# Altium PCB PCB1.PcbDoc (part 1 of 5) (continued)
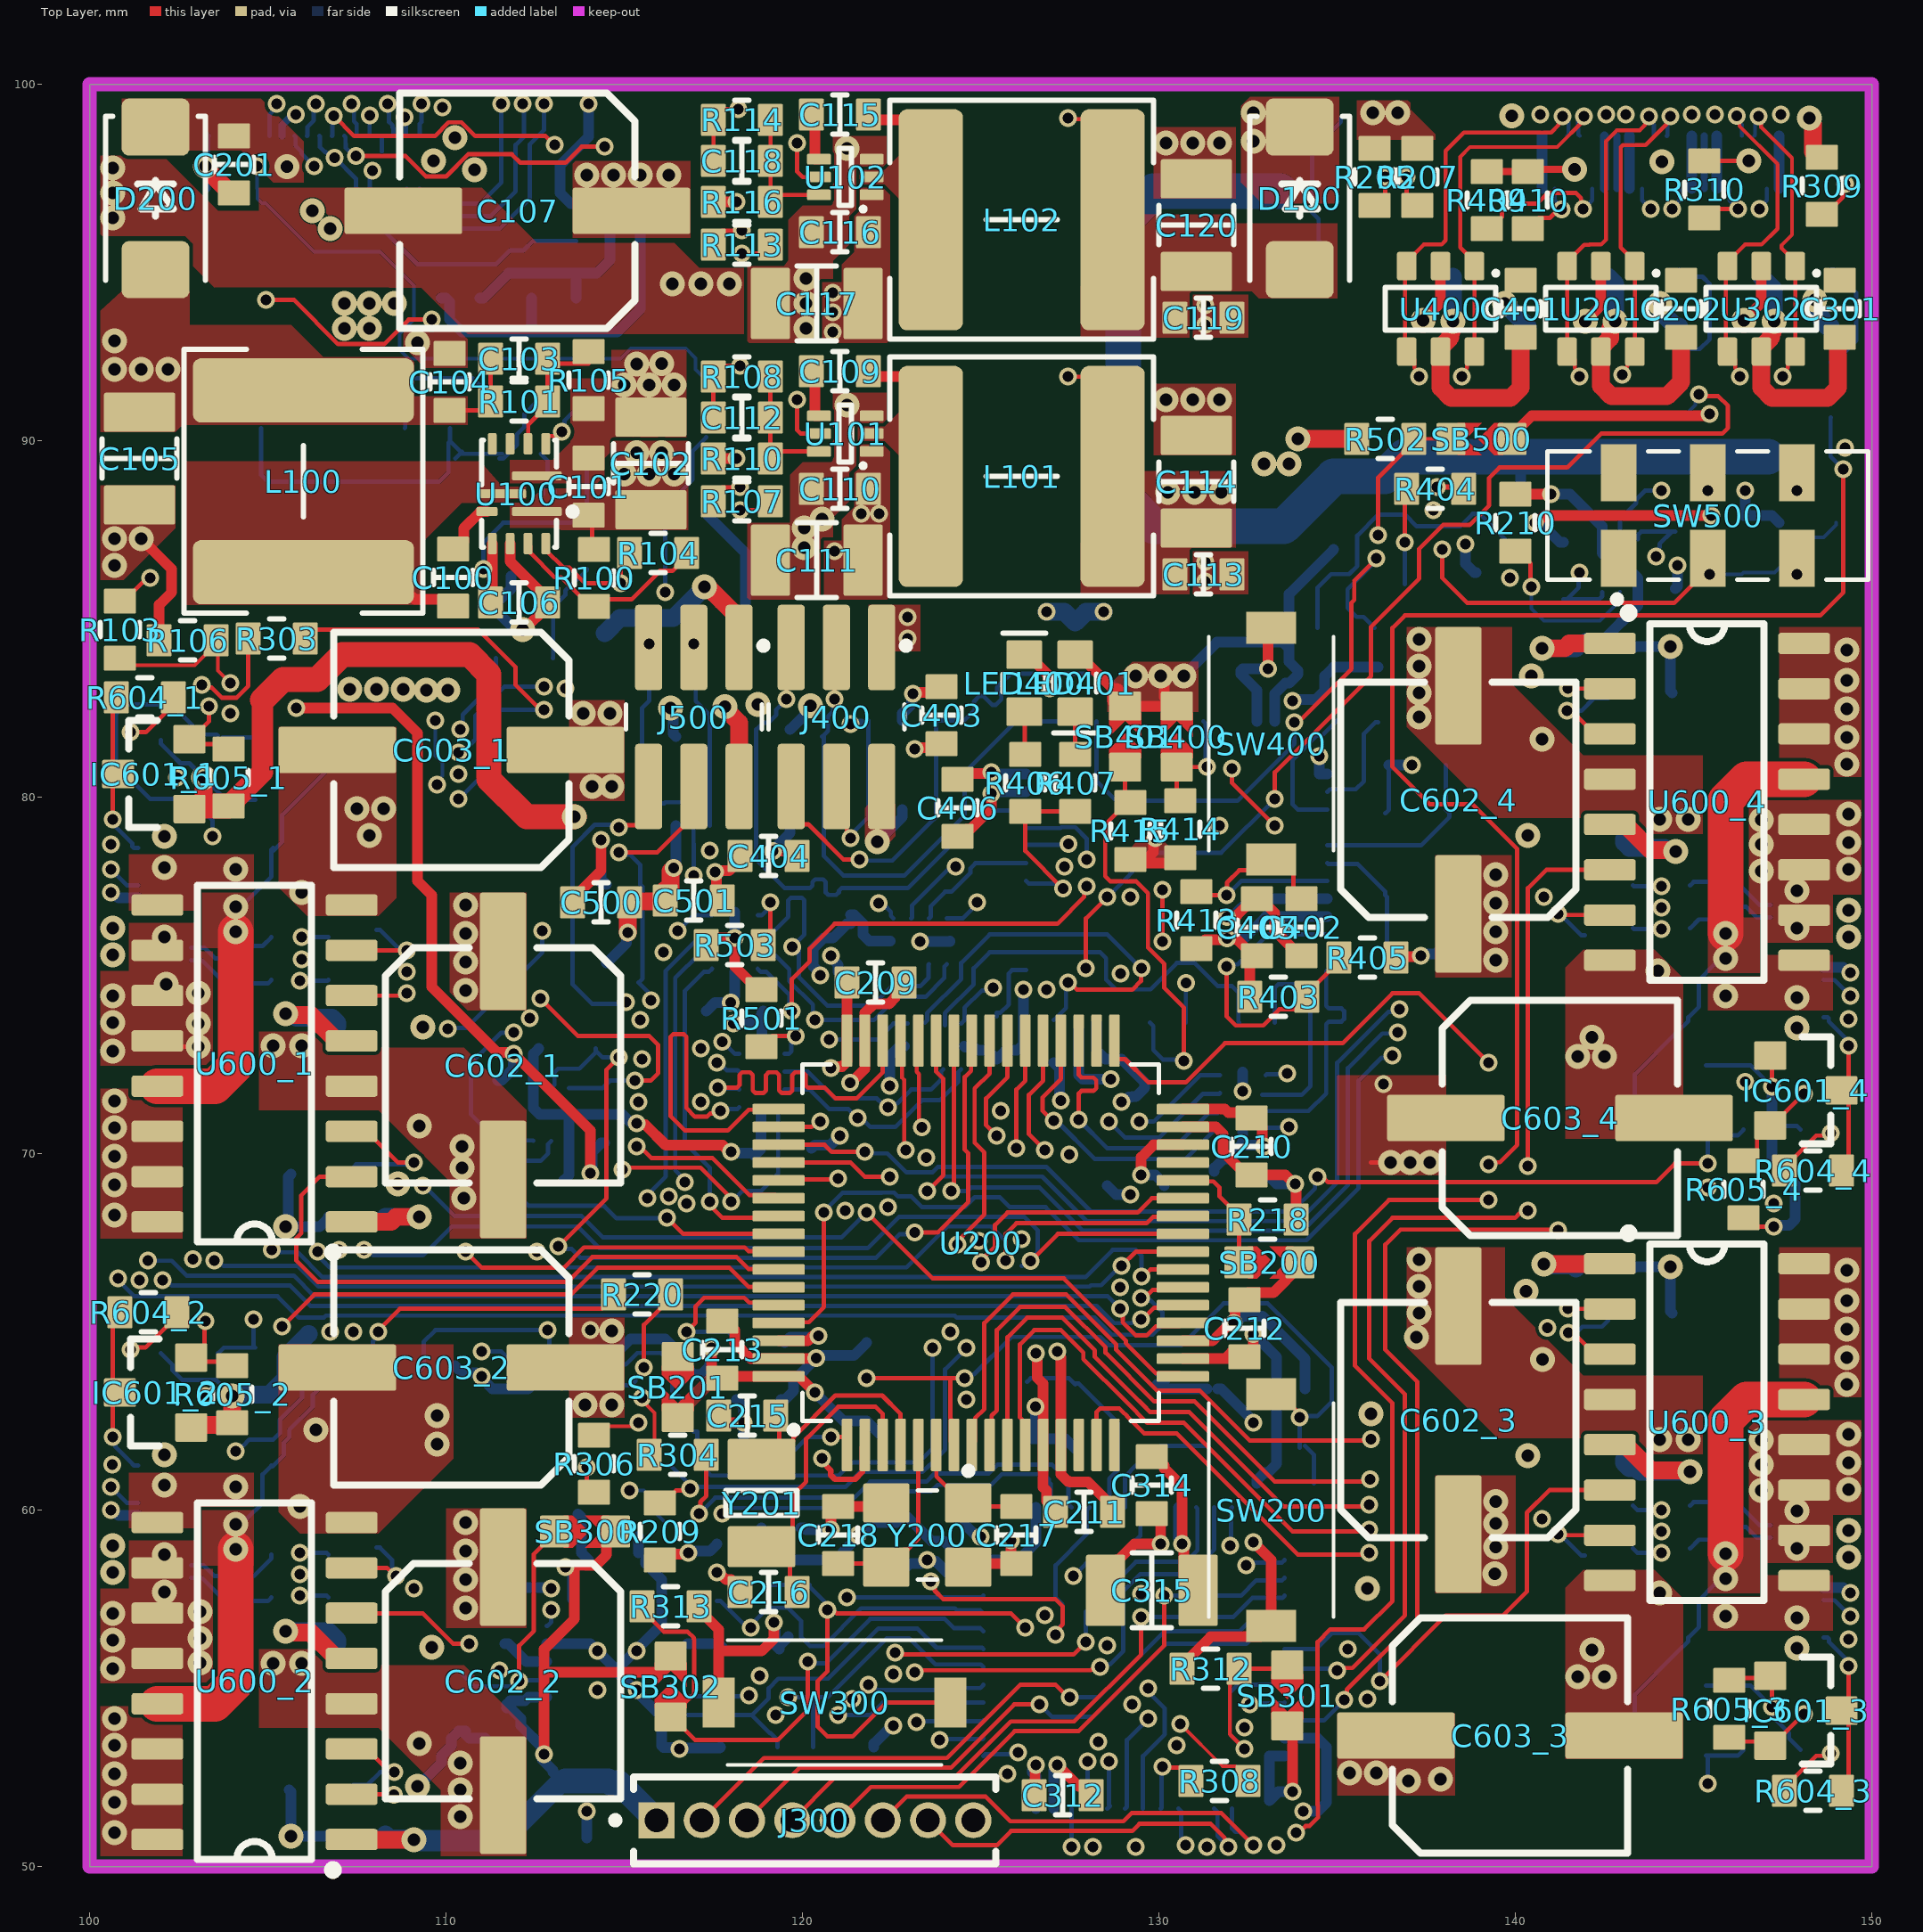
[diagram p0: Top Layer view]
## Components (designator, comment, footprint, x,y, rotation, side; value= is the part's Value field where it differs from the comment)
C100 "100nF" "CAP 0603" 110.196,86.164 r90 top
C101 "100nF" "CAP 0603" 113.996,88.714 r270 top
C102 "10uF" "CAP 1206" 115.746,89.364 r270 top
C103 "22pF" "CAP 0603" 112.05,92.3 r180 top
C104 "100nF" "CAP 0603" 110.1,91.65 r270 top
C105 "22uF" "CAP 1206" 101.4,89.5 r90 top
C106 "1uF" "CAP 0603" 112.046,85.464 r180 top
C107 "47uF" "CAP ALSMD ELEC 6.6MM H5.7MM" 112,96.45 r180 top
C108 "100nF" "CAP 0603" 116.4,95.95 r270 bottom
C109 "100nF" "CAP 0603" 121.05,91.95 r180 top
C110 "100nF" "CAP 0603" 121.05,88.65 r0 top
C111 "10uF" "CAP 1206" 120.4,86.65 r0 top
C112 "18pF" "CAP 0603" 118.3,90.65 r180 top
C113 "100nF" "CAP 0603" 131.25,86.25 r180 top
C114 "22uF" "CAP 1206" 131.05,88.85 r270 top
C115 "100nF" "CAP 0603" 121.05,99.149 r180 top
C116 "100nF" "CAP 0603" 121.05,95.849 r0 top
C117 "10uF" "CAP 1206" 120.4,93.849 r0 top
C118 "18pF" "CAP 0603" 118.3,97.849 r180 top
C119 "100nF" "CAP 0603" 131.25,93.449 r180 top
C120 "22uF" "CAP 1206" 131.05,96.049 r270 top
C121 "100nF" "CAP 0603" 134.3,97.9 r180 bottom
C122 "1uF" "CAP 0603" 134.3,96.75 r180 bottom
C123 "100nF" "CAP 0603" 134.3,92.45 r180 bottom
C124 "4.7uF" "CAP 1206" 134.25,90.65 r180 bottom
C200 "10uF" "CAP 0603" 144.6,94 r270 bottom
C201 "1uF" "CAP 0603" 104.05,97.75 r90 top
C202 "100nF" "CAP 0603" 144.65,93.7 r270 top
C203 "10nF" "CAP 0603" 109.8,94.9 r270 bottom
C204 "10nF" "CAP 0603" 112.4,94.8 r270 bottom
C205 "10nF" "CAP 0603" 133.55,60.75 r180 bottom
C206 "100nF" "CAP 0603" 119,61.7 r0 bottom
C207 "2.2uF" "CAP 0603" 129.35,69.1 r180 bottom
C208 "2.2uF" "CAP 0603" 119.5,63.9 r270 bottom
C209 "100nF" "CAP 0603" 122.05,74.8 r180 top
C210 "100nF" "CAP 0603" 132.6,70.2 r90 top
C211 "100nF" "CAP 0603" 127.9,59.95 r0 top
C212 "100nF" "CAP 0603" 132.4,65.1 r90 top
C213 "100nF" "CAP 0603" 117.75,64.5 r270 top
C214 "4.7uF" "CAP 1206" 122.2,63.4 r270 bottom
C215 "7pF" "CAP 0603" 118.45,62.65 r0 top
C216 "7pF" "CAP 0603" 119.05,57.7 r0 top
C217 "12pF" "CAP 0603" 126,59.3 r90 top
C218 "12pF" "CAP 0603" 121,59.3 r270 top
C300 "10uF" "CAP 0603" 148.85,94 r270 bottom
C301 "100nF" "CAP 0603" 149.1,93.7 r270 top
C302 "2.2nF" "CAP 0603" 118.55,56.1 r0 bottom
C303 "100nF" "CAP 0603" 111.65,57.05 r90 bottom
C304 "10nF" "CAP 0603" 111.7,53.65 r270 bottom
C305 "100nF" "CAP 0603" 114.4,59.75 r180 bottom
C306 "10uF" "CAP 0603" 114.8,58.6 r180 bottom
C307 "100nF" "CAP 0603" 114.55,51.6 r90 bottom
C308 "10uF" "CAP 0603" 113.35,51.6 r90 bottom
C309 "10nF" "CAP 0603" 120.05,58.7 r270 bottom
C310 "1uF" "CAP 0603" 125.05,60 r0 bottom
C311 "100nF" "CAP 0603" 122.75,59.1 r90 bottom
C312 "100nF" "CAP 0603" 127.3,52 r180 top
C313 "100nF" "CAP 0603" 133.9,51.85 r180 bottom
C314 "100nF" "CAP 0603" 129.8,60.7 r90 top
C315 "4.7uF" "CAP 1206" 129.8,57.75 r0 top
C316 "12pF" "CAP 0603" 131.65,62.6 r270 bottom
C317 "12pF" "CAP 0603" 126.55,62.85 r90 bottom
C400 "10uF" "CAP 0603" 140.35,94 r90 bottom
C401 "100nF" "CAP 0603" 140.15,93.7 r270 top
C402 "10nF" "CAP 0603" 134,76.35 r90 top
C403 "100nF" "CAP 0603" 123.9,82.3 r270 top
C404 "100nF" "CAP 0603" 119.05,78.35 r180 top
C405 "100nF" "CAP 0603" 132.75,76.35 r270 top
C406 "100nF" "CAP 0603" 124.35,79.7 r90 top
C407 "100nF" "CAP 0603" 133.1,83.55 r0 bottom
C408 "100nF" "CAP 0603" 128.8,71.85 r180 bottom
C409 "4.7uF" "CAP 1206" 128.95,84.9 r0 bottom
C410 "12pF" "CAP 0603" 137.25,80.9 r0 bottom
C411 "12pF" "CAP 0603" 137.2,75.9 r180 bottom
C500 "100nF" "CAP 0603" 114.35,77.05 r180 top
C501 "100nF" "CAP 0603" 116.95,77.1 r0 top
C502 "100nF" "CAP 0603" 146.4,87.1 r270 bottom
C503 "100nF" "CAP 0603" 126.25,72.55 r180 bottom
C504 "100nF" "CAP 0603" 119.45,69.95 r180 bottom
C505 "100nF" "CAP 0603" 121.35,75.65 r270 bottom
C506 "100nF" "CAP 0603" 118.1,74 r180 bottom
C507 "100nF" "CAP 0603" 132.35,69.3 r180 bottom
C600_1 "100nF" "CAP 0603" 107.75,73.575 r180 bottom (schematic designator C600)
C600_2 "100nF" "CAP 0603" 107.75,56.25 r180 bottom (schematic designator C600)
C600_3 "100nF" "CAP 0603" 142.25,61.425 r0 bottom (schematic designator C600)
C600_4 "100nF" "CAP 0603" 142.25,78.825 r0 bottom (schematic designator C600)
C601_1 "100nF" "CAP 0603" 107.5,68.225 r0 bottom (schematic designator C601)
C601_2 "100nF" "CAP 0603" 107.5,50.9 r0 bottom (schematic designator C601)
C601_3 "100nF" "CAP 0603" 142.5,66.775 r180 bottom (schematic designator C601)
C601_4 "100nF" "CAP 0603" 142.65,84.1 r180 bottom (schematic designator C601)
C602_1 "47uF" "CAP ALSMD ELEC 6.6MM H5.7MM" 111.6,72.475 r270 top (schematic designator C602)
C602_2 "47uF" "CAP ALSMD ELEC 6.6MM H5.7MM" 111.6,55.2 r270 top (schematic designator C602)
C602_3 "47uF" "CAP ALSMD ELEC 6.6MM H5.7MM" 138.4,62.525 r90 top (schematic designator C602)
C602_4 "47uF" "CAP ALSMD ELEC 6.6MM H5.7MM" 138.4,79.925 r90 top (schematic designator C602)
C603_1 "47uF" "CAP ALSMD ELEC 6.6MM H5.7MM" 110.15,81.325 r180 top (schematic designator C603)
C603_2 "47uF" "CAP ALSMD ELEC 6.6MM H5.7MM" 110.15,64 r180 top (schematic designator C603)
C603_3 "47uF" "CAP ALSMD ELEC 6.6MM H5.7MM" 139.85,53.675 r0 top (schematic designator C603)
C603_4 "47uF" "CAP ALSMD ELEC 6.6MM H5.7MM" 141.25,71 r0 top (schematic designator C603)
C604_1 "100nF" "CAP 0603" 108.05,71.625 r270 bottom (schematic designator C604)
C604_2 "100nF" "CAP 0603" 108.05,54.3 r270 bottom (schematic designator C604)
C604_3 "100nF" "CAP 0603" 141.95,63.375 r90 bottom (schematic designator C604)
C604_4 "100nF" "CAP 0603" 141.95,80.775 r90 bottom (schematic designator C604)
C605_1 "100nF" "CAP 0603" 107.6,77.325 r0 bottom (schematic designator C605)
C605_2 "100nF" "CAP 0603" 107.6,59.95 r0 bottom (schematic designator C605)
C605_3 "100nF" "CAP 0603" 142.4,57.675 r180 bottom (schematic designator C605)
C605_4 "100nF" "CAP 0603" 142.4,75.075 r180 bottom (schematic designator C605)
D100 "" "Bourns DO214AC SMA - duplicate" 133.95,96.8 r90 top
D200 "" "Bourns DO214AC SMA - duplicate" 101.85,96.8 r90 top
D201 "" "Bourns DO214AC SMA - duplicate" 142.45,92.6 r270 bottom
D202 "" SOD323HP 117.3,90.9 r90 bottom
D203 "" SOD323HP 116.5,87.95 r0 bottom
D300 "" "Bourns DO214AC SMA - duplicate" 146.75,92.6 r270 bottom
D400 "" "Bourns DO214AC SMA - duplicate" 138.25,92.6 r270 bottom
D401 "" "Bourns DO214AC SMA - duplicate" 122.2,84.45 r180 bottom
D500 "" "Bourns DO214AC SMA - duplicate" 116.4,84.45 r0 bottom
D600_1 "5V" "Bourns DO214AC SMA" 104.25,71.525 r0 bottom (schematic designator D600)
D600_2 "5V" "Bourns DO214AC SMA" 104.25,54.2 r0 bottom (schematic designator D600)
D600_3 "5V" "Bourns DO214AC SMA" 145.75,63.475 r180 bottom (schematic designator D600)
D600_4 "5V" "Bourns DO214AC SMA" 145.75,80.875 r180 bottom (schematic designator D600)
D601_1 "12V" "Bourns DO214AC SMA" 110.35,81 r180 bottom (schematic designator D601)
D601_2 "12V" "Bourns DO214AC SMA" 110.25,61.95 r180 bottom (schematic designator D601)
D601_3 "12V" "Bourns DO214AC SMA" 139.65,53.875 r0 bottom (schematic designator D601)
D601_4 "12V" "Bourns DO214AC SMA" 139.7,71.15 r0 bottom (schematic designator D601)
IC600_1 "MOSFET N-CH" SOT-23 105.65,80.7 r90 bottom (schematic designator IC600)
IC600_2 "MOSFET N-CH" SOT-23 105.65,63.58 r90 bottom (schematic designator IC600)
IC600_3 "MOSFET N-CH" SOT-23 144.35,54.095 r270 bottom (schematic designator IC600)
IC600_4 "MOSFET N-CH" SOT-23 144.4,71.5 r270 bottom (schematic designator IC600)
IC601_1 "MOSFET N-CH" SOT-23 101.8,80.65 r90 top (schematic designator IC601)
IC601_2 "MOSFET N-CH" SOT-23 101.85,63.3 r90 top (schematic designator IC601)
IC601_3 "MOSFET N-CH" SOT-23 148.15,54.375 r270 top (schematic designator IC601)
IC601_4 "MOSFET N-CH" SOT-23 148.15,71.775 r270 top (schematic designator IC601)
J200 "Display_MCU" 2167010409 105.925,97.813 r0 bottom locked
J201 "USB_carrier" 2167010409 144.075,97.813 r0 bottom locked
J300 "IMU2" SAMTEC_DWM-08-X-X-S-X 120.345,51.3 r0 top
J400 "SWD" AMPHENOL_20021121-00006C1LF 120.95,82.25 r0 top
J500 "SWD" AMPHENOL_20021121-00006C1LF 116.95,82.25 r0 top
J600_1 "Lidar_carrier" 2167010209 102.1,77 r90 bottom locked (schematic designator J600)
J600_2 "Lidar_carrier" 2167010209 102.1,59.675 r90 bottom locked (schematic designator J600)
J600_3 "Lidar_carrier" 2167010209 147.9,58 r270 bottom locked (schematic designator J600)
J600_4 "Lidar_carrier" 2167010209 147.9,75.4 r270 bottom locked (schematic designator J600)
L100 "1.5uH" "IND 0806_2016" 105.996,88.864 r90 top
L101 "4.7uH" "IND 0806_2016" 126.15,89 r0 top
L102 "6.8uH" "IND 0806_2016" 126.15,96.199 r0 top
LED400 "Red" LED_0603 126.221,83.2 r90 top
LED401 "Green" LED_0603 127.65,83.2 r270 top
Q100 "AO4485" "ALPHAOMEGA SO8 SOP-8L AO4485" 108.204,87.486 r90 bottom
Q101 "AO4485" "ALPHAOMEGA SO8 SOP-8L AO4485" 102.904,87.486 r90 bottom
Q102 "NPN" SOT-23 112.85,87.5 r180 bottom
Q200 "Double N mos" "TI SOT-563 DRL" 112.95,71.1 r270 bottom
Q201 "Double N mos" "TI SOT-563 DRL" 142.934,86.5 r90 bottom
Q202 "Double N mos" "TI SOT-563 DRL" 113.91,64 r0 bottom
Q400 "NPN" SOT-23 135.9,86.95 r270 bottom
R100 "14.3K" "RES 0603" 114.15,86.15 r270 top
R101 "220K" "RES 0603" 112.05,91.1 r180 top
R102 "100K" "RES 0603" 113.95,90.3 r90 bottom
R103 "30K" "RES 0603" 100.85,84.7 r270 top
R104 "10K" "RES 0603" 115.95,86.85 r0 top
R105 "30K" "RES 0603" 114,91.7 r90 top
R106 "10K" "RES 0603" 102.75,84.4 r180 top
R107 "100K" "RES 0603" 118.3,88.3 r180 top
R108 "220K" "RES 0603" 118.3,91.8 r180 top
R109 "10K" "RES 0603" 111.5,90.3 r90 bottom
R110 "30K" "RES 0603" 118.3,89.5 r0 top
R111 "100R" "RES 0603" 112.65,90.3 r270 bottom
R112 "1K" "RES 0603" 112.2,83.9 r0 bottom
R113 "100K" "RES 0603" 118.3,95.499 r180 top
R114 "270K" "RES 0603" 118.3,98.999 r180 top
R115 "10K" "RES 0603" 112.204,85.336 r180 bottom
R116 "30K" "RES 0603" 118.3,96.699 r0 top
R117 "100K" "RES 0603" 134.3,99.05 r0 bottom
R200 "10K" "RES 0603" 144.6,91.45 r270 bottom
R201 "10K" "RES 0603" 111.45,71.25 r90 bottom
R202 "10K" "RES 0603" 113.4,72.95 r180 bottom
R203 "10K" "RES 0603" 114.45,71.1 r90 bottom
R204 "10K" "RES 0603" 112.5,69.25 r180 bottom
R205 "5.1K" "RES 0603" 136.05,97.4 r270 top
R206 "10K" "RES 0603" 110.95,94.9 r90 bottom
R207 "5.1K" "RES 0603" 137.25,97.4 r270 top
R208 "10K" "RES 0603" 116.2,60.45 r270 bottom
R209 "22K" "RES 0603" 116,59.4 r270 top
R210 "10K" "RES 0603" 140,87.7 r270 top
R211 "10K" "RES 0603" 142.584,88.35 r180 bottom
R212 "10K" "RES 0603" 113.65,94.8 r90 bottom
R213 "100K" "RES 0603" 134.1,62.6 r90 bottom
R214 "10K" "RES 0603" 144.484,86.65 r90 bottom
R215 "10K" "RES 0603" 141.35,86.35 r90 bottom
R216 "10K" "RES 0603" 111,64.2 r0 bottom
R217 "10K" "RES 0603" 117.05,63 r90 bottom
R218 "10K" "RES 0603" 133.05,68.15 r180 top
R219 "100K" "RES 0603" 118.35,63.9 r90 bottom
R220 "10K" "RES 0603" 115.5,66.05 r0 top
R221 "10K" "RES 0603" 108.45,63.9 r180 bottom
R300 "10K" "RES 0603" 117.6,58.25 r90 bottom
R301 "10K" "RES 0603" 148.85,91.4 r270 bottom
R302 "10K" "RES 0603" 118.6,53.35 r180 bottom
R303 "100R" "RES 0603" 105.25,84.45 r0 top
R304 "100R" "RES 0603" 116.5,61.55 r0 top
R305 "10K" "RES 0603" 121.2,53.35 r0 bottom
R306 "100R" "RES 0603" 114.15,61.3 r270 top
R307 "100K" "RES 0603" 110.45,54.6 r90 bottom
R308 "300R" "RES 0603" 131.7,52.4 r180 top
R309 "5.1K" "RES 0603" 148.6,97.15 r270 top
R310 "5.1K" "RES 0603" 145.3,97.05 r270 top
R311 "100K" "RES 0603" 118.85,58.7 r90 bottom
R312 "10K" "RES 0603" 131.45,55.55 r0 top
R313 "100K" "RES 0603" 116.3,57.3 r180 top
R400 "10K" "RES 0603" 140.15,87.7 r90 bottom
R401 "100R" "RES 0603" 135.25,84.75 r180 bottom
R402 "36K" "RES 0603" 138.9,87.1 r90 bottom
R403 "10K" "RES 0603" 133.35,74.4 r0 top
R404 "1.5K" "RES 0603" 137.75,88.65 r180 top
R405 "10K" "RES 0603" 135.85,75.5 r180 top
R406 "100R" "RES 0603" 126.25,80.4 r270 top
R407 "100R" "RES 0603" 127.65,80.4 r270 top
R408 "100R" "RES 0603" 126.25,73.75 r0 bottom
R409 "5.1K" "RES 0603" 139.2,96.75 r270 top
R410 "5.1K" "RES 0603" 140.35,96.75 r270 top
R411 "10K" "RES 0603" 135,82.85 r90 bottom
R412 "10K" "RES 0603" 136.15,82.85 r90 bottom
R413 "100K" "RES 0603" 131.05,76.55 r270 top
R414 "10K" "RES 0603" 130.6,79.1 r270 top
R415 "100K" "RES 0603" 129.2,79.05 r270 top
R500 "10K" "RES 0603" 148.2,87.7 r0 bottom
R501 "100R" "RES 0603" 118.85,73.8 r270 top
R502 "10K" "RES 0603" 136.35,90.05 r0 top
R503 "100R" "RES 0603" 118.1,75.85 r0 top
R600_1 "10K" "RES 0603" 102.8,81.55 r180 bottom (schematic designator R600)
R600_2 "10K" "RES 0603" 102.8,64.4 r180 bottom (schematic designator R600)
R600_3 "10K" "RES 0603" 147.2,53.275 r0 bottom (schematic designator R600)
R600_4 "10K" "RES 0603" 147.2,70.675 r0 bottom (schematic designator R600)
R601_1 "10K" "RES 0603" 105.95,78.5 r0 bottom (schematic designator R601)
R601_2 "10K" "RES 0603" 105.9,61.25 r0 bottom (schematic designator R601)
R601_3 "10K" "RES 0603" 144.05,56.425 r180 bottom (schematic designator R601)
R601_4 "10K" "RES 0603" 144.05,73.825 r180 bottom (schematic designator R601)
R602_1 "100R" "RES 0603" 106.45,69.475 r0 bottom (schematic designator R602)
R602_2 "100R" "RES 0603" 106.45,52.15 r0 bottom (schematic designator R602)
R602_3 "100R" "RES 0603" 143.55,65.525 r180 bottom (schematic designator R602)
R602_4 "100R" "RES 0603" 143.55,82.9 r180 bottom (schematic designator R602)
R603_1 "100R" "RES 0603" 108.05,75.475 r90 bottom (schematic designator R603)
R603_2 "100R" "RES 0603" 108.05,58.15 r90 bottom (schematic designator R603)
R603_3 "100R" "RES 0603" 141.95,59.525 r270 bottom (schematic designator R603)
R603_4 "100R" "RES 0603" 141.95,76.925 r270 bottom (schematic designator R603)
R604_1 "10K" "RES 0603" 101.55,82.8 r180 top (schematic designator R604)
R604_2 "10K" "RES 0603" 101.65,65.55 r180 top (schematic designator R604)
R604_3 "10K" "RES 0603" 148.35,52.125 r0 top (schematic designator R604)
R604_4 "10K" "RES 0603" 148.35,69.525 r0 top (schematic designator R604)
R605_1 "10K" "RES 0603" 103.9,80.55 r90 top (schematic designator R605)
R605_2 "10K" "RES 0603" 104,63.25 r90 top (schematic designator R605)
R605_3 "10K" "RES 0603" 146,54.425 r270 top (schematic designator R605)
R605_4 "10K" "RES 0603" 146.4,69 r90 top (schematic designator R605)
R606_1 "300R" "RES 0603" 105.9,76.075 r0 bottom (schematic designator R606)
R606_2 "300R" "RES 0603" 105.9,58.75 r0 bottom (schematic designator R606)
R606_3 "300R" "RES 0603" 144.1,58.925 r180 bottom (schematic designator R606)
R606_4 "300R" "RES 0603" 144.1,76.325 r180 bottom (schematic designator R606)
R607_1 "300R" "RES 0603" 105.9,74.875 r0 bottom (schematic designator R607)
R607_2 "300R" "RES 0603" 105.9,57.55 r0 bottom (schematic designator R607)
R607_3 "300R" "RES 0603" 144.1,60.125 r180 bottom (schematic designator R607)
R607_4 "300R" "RES 0603" 144.1,77.525 r180 bottom (schematic designator R607)
R608_1 "100R" "RES 1206" 103.1,68.775 r0 bottom (schematic designator R608)
R608_2 "100R" "RES 1206" 103.1,51.45 r0 bottom (schematic designator R608)
R608_3 "100R" "RES 1206" 146.9,66.225 r180 bottom (schematic designator R608)
R608_4 "100R" "RES 1206" 146.9,83.625 r180 bottom (schematic designator R608)
R609_1 "300R" "RES 1206" 111,78.575 r0 bottom (schematic designator R609)
R609_2 "300R" "RES 1206" 110.85,59.45 r0 bottom (schematic designator R609)
R609_3 "300R" "RES 1206" 139,56.425 r180 bottom (schematic designator R609)
R609_4 "300R" "RES 1206" 139,73.825 r180 bottom (schematic designator R609)
SB200 "Open" SB_0603 133.1,66.95 r180 top
SB201 "Open" SB_0603 116.5,63.45 r90 top
SB300 "Open" SB_0603 113.9,59.4 r180 top
SB301 "Open" SB_0603 133.6,54.8 r90 top
SB302 "Open" SB_0603 116.3,55.05 r270 top
SB400 "Open" SB_0603 130.5,81.7 r270 top
SB401 "Open" SB_0603 129.05,81.7 r270 top
SB500 "Open" SB_0603 139.05,90.05 r0 top
SW200 "RES_Button" PTS636SM50JSMTRLFS 133.15,60 r270 top
SW300 "RES_Button" PTS636SM50JSMTRLFS 120.9,54.6 r180 top
SW400 "RES_Button" PTS636SM50JSMTRLFS 133.15,81.5 r90 top
SW500 "Debug_select" SW_JS202011JCQN 145.4,87.9 r90 top
U100 "TPS51386" VREG_TPS51386RJNR 112.046,88.514 r180 top
U101 "TPS563203DRLR" "TI SOT-563 DRL" 121.2,90.2 r180 top
U102 "TPS563203DRLR" "TI SOT-563 DRL" 121.2,97.399 r180 top
U103 "LDL212PV33R" SON50P200X200X80-7N-D 134.05,94.65 r90 bottom
U200 "STM32F413RGT6" QFP50P1200X1200X165-64N 125,67.5 r90 top locked
U201 "TVC" "DIODES SOT-23-6 W6" 142.4,93.7 r270 top
U300 "STM32F103C4T6A" "TI PQFP-48 PAG0048A" 129.3,55.85 r270 bottom locked
U301 "MPU-6050" IS-QFN-24_V 114.8,55.5 r90 bottom
U302 "TVC" "DIODES SOT-23-6 W6" 146.9,93.7 r270 top
U400 "TVC" "DIODES SOT-23-6 W6" 137.9,93.7 r270 top
U401 "STM32F103CBT6" "TI PQFP-48 PAG0048A" 130.5,77.9 r180 bottom locked
U402 "TVC" "SOT95P275X110-6N - duplicate - duplicate" 119.65,80.45 r270 bottom
U403 "TVC" "SOT95P275X110-6N - duplicate - duplicate" 122.8,80.9 r90 bottom
U500 "TVC" "SOT95P275X110-6N - duplicate - duplicate" 114.4,76.3 r270 bottom
U501 "TVC" "SOT95P275X110-6N - duplicate - duplicate" 116.45,80.45 r270 bottom
U502 "Switch" PI3USB221AZUAEX 123.7,73.01 r90 bottom
U503 "Switch" PI3USB221AZUAEX 118.86,72.05 r0 bottom
U504 "Switch" PI3USB221AZUAEX 123.3,75.96 r90 bottom
U505 "Switch" PI3USB221AZUAEX 118.1,75.94 r0 bottom
U506 "Switch" PI3USB221AZUAEX 132.35,71.45 r0 bottom
U600_1 "MX1508" "TI SOP-16 D" 104.625,72.53 r180 top (schematic designator U600)
U600_2 "MX1508" "TI SOP-16 D" 104.625,55.205 r180 top (schematic designator U600)
U600_3 "MX1508" "TI SOP-16 D" 145.375,62.47 r0 top (schematic designator U600)
U600_4 "MX1508" "TI SOP-16 D" 145.375,79.87 r0 top (schematic designator U600)
Y200 "8MHz" XTAL_ECS-80-10-33-CHN-TR3 123.5,59.3 r180 top
Y201 "32.768Hz" Crystal_32.768 118.85,60.2 r270 top
Y300 "8MHz" XTAL_ECS-80-10-33-CHN-TR3 129.1,62.7 r180 bottom
Y400 "8MHz" XTAL_ECS-80-10-33-CHN-TR3 137.25,78.4 r270 bottom

## Footprints (in the part's own frame and the unit in brackets; to place one, negate y for a bottom-side part, rotate by r counter-clockwise, add the part's x,y. Pads: shape width x height; smd on the part's side, far side on the other; paste and mask are expansions set on the pad)
2167010209 [mm]
  rrect10% 0.17x0.42 smd: 1(-1.575,-0.74) 2(-1.225,-0.74) 3(-0.875,-0.74) 4(-0.525,-0.74) 5(-0.175,-0.74) 6(0.175,-0.74) 7(0.525,-0.74) 8(0.875,-0.74) 9(1.225,-0.74) 10(1.575,-0.74) 11(1.575,0.74) 12(1.225,0.74) 13(0.875,0.74) 14(0.525,0.74) 15(0.175,0.74) 16(-0.175,0.74) 17(-0.525,0.74) 18(-0.875,0.74) 19(-1.225,0.74) 20(-1.575,0.74)
  rrect10% 0.25x0.28 smd: MP1(1.985,-0.61) MP2(1.985,0.61) MP3(-1.985,-0.61) MP4(-1.985,0.61)
  rrect10% 0.29x0.45 smd: MP5(2.56,0) MP6(-2.56,0)
  silkscreen extent -2.75,-1.2 2.75,0.8
2167010409 [mm]
  rrect10% 0.17x0.42 smd: 1(-3.325,-0.74) 2(-2.975,-0.74) 3(-2.625,-0.74) 4(-2.275,-0.74) 5(-1.925,-0.74) 6(-1.575,-0.74) 7(-1.225,-0.74) 8(-0.875,-0.74) 9(-0.525,-0.74) 10(-0.175,-0.74) 11(0.175,-0.74) 12(0.525,-0.74) 13(0.875,-0.74) 14(1.225,-0.74) 15(1.575,-0.74) 16(1.925,-0.74) 17(2.275,-0.74) 18(2.625,-0.74) 19(2.975,-0.74) 20(3.325,-0.74) 21(3.325,0.74) 22(2.975,0.74) 23(2.625,0.74) 24(2.275,0.74) 25(1.925,0.74) 26(1.575,0.74) 27(1.225,0.74) 28(0.875,0.74) 29(0.525,0.74) 30(0.175,0.74) 31(-0.175,0.74) 32(-0.525,0.74) 33(-0.875,0.74) 34(-1.225,0.74) 35(-1.575,0.74) 36(-1.925,0.74) 37(-2.275,0.74) 38(-2.625,0.74) 39(-2.975,0.74) 40(-3.325,0.74)
  rrect10% 0.25x0.28 smd: MP1(3.735,-0.61) MP2(3.735,0.61) MP3(-3.735,-0.61) MP4(-3.735,0.61)
  rrect10% 0.29x0.45 smd: MP5(4.31,0) MP6(-4.31,0)
  silkscreen extent -4.5,-1.2 4.5,0.8
"ALPHAOMEGA SO8 SOP-8L AO4485" [mm] "SOIC, 8-Leads, Body 4.90x3.90mm, Pitch 1.27mm, IPC Medium Density"
  oval 2.2x0.8 smd: D(-2.87,-1.905) D(-2.87,-0.635) D(-2.87,0.635) D(-2.87,1.905) G(2.87,1.905) S(2.87,-1.905) S(2.87,-0.635) S(2.87,0.635)
  silkscreen extent -2.99,-2.5 1.4,2.98, body extent -3,-2.5 3,2.5, height 1.75
AMPHENOL_20021121-00006C1LF [mm]
  rrect25% 0.76x2.4 smd: 1(1.27,1.95) 2(0,1.95) 3(-1.27,1.95) 4(-1.27,-1.95) 5(0,-1.95) 6(1.27,-1.95)
  silkscreen extent -1.91,-0.35 2.05,2.1, body extent -1.91,-2.75 1.91,2.75, height 4.55
"Bourns DO214AC SMA" [mm] "Molded Diode, 2-Leads, Body 4.30x2.60mm, IPC Medium Density"
  rrect25% 2x2 smd: 1(-2,0) 2(2,0)
  silkscreen extent -2.21,-1.3 2.16,1.3, body extent -2.6,-1.37 2.6,1.37, height 2.4
"Bourns DO214AC SMA - duplicate" [mm] "Molded Diode, 2-Leads, Body 4.30x2.60mm, IPC Medium Density"
  rrect25% 1.6x1.9 smd: 1(-2,0) 2(2,0)
  silkscreen extent -2.3,-1.4 2.3,1.4, body extent -2.6,-1.37 2.6,1.37, height 2.4
"CAP 0603" [mm] "Chip Resistor, 2-Leads, Body 1.60x0.80mm"
  rrect10% 0.7x0.9 smd: 1(-0.8,0) 2(0.8,0)
  silkscreen extent -0.2,-0.55 0.2,0.55, body extent -0.8,-0.4 0.8,0.4, height 0.45
"CAP 1206" [mm] "Chip Resistor, 2-Leads, Body 1.60x0.80mm"
  rrect10% 1.1x2 smd: 1(-1.3,0) 2(1.3,0)
  silkscreen extent -0.55,-1.05 0.55,1.05, body extent -0.8,-0.4 0.8,0.4, height 0.45
"CAP ALSMD ELEC 6.6MM H5.7MM" [mm] "Aluminum SMD Electrolytic Capacitor, 6.60mm Land Size, 6.30mm Diameter, 5.70mm Height, 8.00mm Maximum Leads Span"
  rrect10% 3.3x1.3 smd: 1(-3.2,0) 2(3.2,0)
  silkscreen extent -3.3,-3.3 3.3,3.3, body extent -4,-3.3 4,3.3, height 5.7
Crystal_32.768 [mm] "Chip Resistor, 2-Leads, Body 1.60x0.80mm"
  rrect10% 1.15x1.9 smd: 1(-1.225,0) 2(1.225,0)
  silkscreen extent -0.35,-1 0.35,1, body extent -0.8,-0.4 0.8,0.4, height 0.45
"DIODES SOT-23-6 W6" [mm] "SOT23, 6-Leads, Body 3.00x2.85mm, Pitch 0.95mm, IPC Medium Density"
  rrect25% 0.8x0.55 smd: 1(-1.2,0.95) 2(-1.2,0) 3(-1.2,-0.95) 4(1.2,-0.95) 5(1.2,0) 6(1.2,0.95)
  silkscreen extent -1.05,-1.55 0.6,1.6, body extent -1.19,-1.45 1.2,1.45, height 1
"IND 0806_2016" [mm] "Chip Capacitor, 2-Leads, Body 2.00x1.20mm, IPC Medium Density"
  rrect25% 1.8x6.2 smd: 1(-2.55,0) 2(2.55,0)
  silkscreen extent -3.7,-3.35 3.7,3.35
IS-QFN-24_V [mm] "QFN, 24-Leads, Body 4x4mm, Pitch 0.5mm, Thermal Pad 2.7x2.6mm"
  rrect25% 0.8x0.2 smd: 1(-2,1.25) 2(-2,0.75) 3(-2,0.25) 4(-2,-0.25) 5(-2,-0.75) 6(-2,-1.25) 13(2,-1.25) 14(2,-0.75) 15(2,-0.25) 16(2,0.25) 17(2,0.75) 18(2,1.25)
  rrect25% 0.2x0.85 smd: 7(-1.25,-1.975) 8(-0.75,-1.975) 9(-0.25,-1.975) 10(0.25,-1.975) 11(0.75,-1.975) 12(1.25,-1.975) 19(1.25,1.975) 20(0.75,1.975) 21(0.25,1.975) 22(-0.25,1.975) 23(-0.75,1.975) 24(-1.25,1.975)
  rect 2.7x2.6 smd: 25(0,0)
  silkscreen extent -2.66,-2.15 2.15,2.67, body extent -2,-2 2,2, height 0.95
LED_0603 [mm] "Chip Resistor, 2-Leads, Body 1.60x0.80mm"
  rrect10% 0.8x1 smd: 1(-0.8,0) 2(0.8,0)
  silkscreen extent -0.25,-0.6 1.4,0.6, body extent -0.8,-0.4 0.8,0.4, height 0.45
PI3USB221AZUAEX [mm]
  rrect10% 0.53x0.3 smd: 1(-0.64,0.75) 4(-0.64,-0.75) 6(0.64,-0.75) 9(0.64,0.75)
  rrect10% 0.53x0.25 smd: 2(-0.64,0.25) 3(-0.64,-0.25) 7(0.64,-0.25) 8(0.64,0.25)
  rrect10% 0.35x0.63 smd: 5(0,-0.84) 10(0,0.84)
  silkscreen extent -0.95,-1.25 0.95,1.32
PTS636SM50JSMTRLFS [mm]
  rect 0.9x1.4 smd: 1(-3.25,0) 2(3.25,0)
  silkscreen extent -3,-1.75 3,1.75
QFP50P1200X1200X165-64N [mm]
  rrect25% 1.47x0.3 smd: 1(-5.67,3.75) 2(-5.67,3.25) 3(-5.67,2.75) 4(-5.67,2.25) 5(-5.67,1.75) 6(-5.67,1.25) 7(-5.67,0.75) 8(-5.67,0.25) 9(-5.67,-0.25) 10(-5.67,-0.75) 11(-5.67,-1.25) 12(-5.67,-1.75) 13(-5.67,-2.25) 14(-5.67,-2.75) 15(-5.67,-3.25) 16(-5.67,-3.75) 33(5.67,-3.75) 34(5.67,-3.25) 35(5.67,-2.75) 36(5.67,-2.25) 37(5.67,-1.75) 38(5.67,-1.25) 39(5.67,-0.75) 40(5.67,-0.25) 41(5.67,0.25) 42(5.67,0.75) 43(5.67,1.25) 44(5.67,1.75) 45(5.67,2.25) 46(5.67,2.75) 47(5.67,3.25) 48(5.67,3.75)
  rrect25% 0.3x1.47 smd: 17(-3.75,-5.67) 18(-3.25,-5.67) 19(-2.75,-5.67) 20(-2.25,-5.67) 21(-1.75,-5.67) 22(-1.25,-5.67) 23(-0.75,-5.67) 24(-0.25,-5.67) 25(0.25,-5.67) 26(0.75,-5.67) 27(1.25,-5.67) 28(1.75,-5.67) 29(2.25,-5.67) 30(2.75,-5.67) 31(3.25,-5.67) 32(3.75,-5.67) 49(3.75,5.67) 50(3.25,5.67) 51(2.75,5.67) 52(2.25,5.67) 53(1.75,5.67) 54(1.25,5.67) 55(0.75,5.67) 56(0.25,5.67) 57(-0.25,5.67) 58(-0.75,5.67) 59(-1.25,5.67) 60(-1.75,5.67) 61(-2.25,5.67) 62(-2.75,5.67) 63(-3.25,5.67) 64(-3.75,5.67)
  silkscreen extent -5.35,-5 5,5.35, body extent -6,-6 6,6, height 1.6
"RES 0603" [mm] "Chip Resistor, 2-Leads, Body 1.60x0.80mm"
  rrect10% 0.7x0.9 smd: 1(-0.8,0) 2(0.8,0)
  silkscreen extent -0.2,-0.55 0.2,0.55, body extent -0.8,-0.4 0.8,0.4, height 0.45
"RES 1206" [mm] "Chip Resistor, 2-Leads, Body 1.60x0.80mm"
  rrect10% 1.1x2 smd: 1(-1.3,0) 2(1.3,0)
  silkscreen extent -0.55,-1.05 0.55,1.05, body extent -0.8,-0.4 0.8,0.4, height 0.45
SAMTEC_DWM-08-X-X-S-X [mm]
  rect 1.01x1.01 / inner round 1.01 / far side rect 1.01x1.01 hole 0.66: 1(-4.445,0)
  round 1.01 hole 0.66: 2(-3.175,0) 3(-1.905,0) 4(-0.635,0) 5(0.635,0) 6(1.905,0) 7(3.175,0) 8(4.445,0)
  silkscreen extent -5.7,-1.22 5.08,1.22
SB_0603 [mm] "Jumper"
  rrect10% 0.813x0.9 smd mask+0.04: 1(0.857,0) 2(-0.857,0)
  Top Layer region: -0.667,0 -0.45,0 0,-0.45 -0.667,-0.45
  Top Layer region: -0.667,0 -0.45,0 0,0.45 -0.667,0.45
  Top Layer region: 0.603,0.45 0.35,0.45 -0.1,0 0.35,-0.45 0.603,-0.45
SOD323HP [mm] "Chip Resistor, 2-Leads, Body 1.60x0.80mm"
  rrect10% 0.8x0.8 smd: 1(0.8,0)
  rrect10% 1.5x1 smd: 2(-0.8,0)
  silkscreen extent -1.74,-0.8 1.65,0.8, body extent -0.8,-0.4 0.8,0.4, height 0.45
SON50P200X200X80-7N-D [mm]
  rect 0.65x0.3 smd: 1(-1.05,0.5) 2(-1.05,0) 3(-1.05,-0.5) 4(1.05,-0.5) 5(1.05,0) 6(1.05,0.5)
  rect 1.02x1.55 smd: 7(0,0)
  silkscreen extent -1.27,-1 1,1
"SOT95P275X110-6N - duplicate - duplicate" [mm]
  rrect25% 0.9x0.5 smd: 1(-1.25,0.95) 2(-1.25,0) 3(-1.25,-0.95) 4(1.25,-0.95) 5(1.25,0) 6(1.25,0.95)
  silkscreen extent -0.95,-1.45 0.5,1.55
SOT-23 [mm]
  rrect10% 0.8x0.9 smd: 1(-0.98,-1) 2(0.98,-1) 3(0,1)
  silkscreen extent -1.5,-0.1 1.5,0.7, body extent -1.52,-0.7 1.52,0.7, height 1.11
SW_JS202011JCQN [mm]
  rect 1.6x1 smd: 1(-1.2,2.5) 2(-1.2,0) 3(-1.2,-2.5) 5(1.2,2.5) 6(1.2,0) 7(1.2,-2.5)
  silkscreen extent -2.45,-4.5 1.8,4.5
"TI PQFP-48 PAG0048A" [mm] "TSQFP, 48-Leads, Body 7.00x7.00mm, Pitch 0.50mm, IPC Medium Density"
  rrect25% 1.45x0.3 smd: 1(-4.225,2.75) 2(-4.225,2.25) 3(-4.225,1.75) 4(-4.225,1.25) 5(-4.225,0.75) 6(-4.225,0.25) 7(-4.225,-0.25) 8(-4.225,-0.75) 9(-4.225,-1.25) 10(-4.225,-1.75) 11(-4.225,-2.25) 12(-4.225,-2.75) 25(4.225,-2.75) 26(4.225,-2.25) 27(4.225,-1.75) 28(4.225,-1.25) 29(4.225,-0.75) 30(4.225,-0.25) 31(4.225,0.25) 32(4.225,0.75) 33(4.225,1.25) 34(4.225,1.75) 35(4.225,2.25) 36(4.225,2.75)
  rrect25% 0.3x1.45 smd: 13(-2.75,-4.225) 14(-2.25,-4.225) 15(-1.75,-4.225) 16(-1.25,-4.225) 17(-0.75,-4.225) 18(-0.25,-4.225) 19(0.25,-4.225) 20(0.75,-4.225) 21(1.25,-4.225) 22(1.75,-4.225) 23(2.25,-4.225) 24(2.75,-4.225) 37(2.75,4.225) 38(2.25,4.225) 39(1.75,4.225) 40(1.25,4.225) 41(0.75,4.225) 42(0.25,4.225) 43(-0.25,4.225) 44(-0.75,4.225) 45(-1.25,4.225) 46(-1.75,4.225) 47(-2.25,4.225) 48(-2.75,4.225)
  silkscreen extent -3.82,-3.2 3.2,3.87, body extent -4.48,-4.5 4.52,4.5, height 1.6
"TI SOP-16 D" [mm] "SOP, 16-Leads, Body 9.90x3.90mm, Pitch 1.27mm, IPC Medium Density"
  rrect25% 1.45x0.6 smd: 1(-2.725,4.445) 2(-2.725,3.175) 3(-2.725,1.905) 4(-2.725,0.635) 5(-2.725,-0.635) 6(-2.725,-1.905) 7(-2.725,-3.175) 8(-2.725,-4.445) 9(2.725,-4.445) 10(2.725,-3.175) 11(2.725,-1.905) 12(2.725,-0.635) 13(2.725,0.635) 14(2.725,1.905) 15(2.725,3.175) 16(2.725,4.445)
  silkscreen extent -2.33,-5 1.6,5.42, body extent -3,-5 3,5, height 1.75
"TI SOT-563 DRL" [mm] "SOT DRL, 6-Leads, Body 1.10x1.60mm, Pitch 0.5mm, IPC Medium Density"
  rrect25% 0.67x0.3 smd: 1(-0.74,0.5) 2(-0.74,0) 3(-0.74,-0.5) 4(0.74,-0.5) 5(0.74,0) 6(0.74,0.5)
  silkscreen extent -0.55,-0.8 0.18,0.95, body extent -0.8,-0.8 0.8,0.8, height 0.6
VREG_TPS51386RJNR [mm]
  rrect40% 1.4x0.25 smd paste-2 mask+0: 1(-0.5,0.5) 2(-0.5,-0.5) 7(0.5,0)
  rrect40% 0.25x0.6 smd paste-1 mask+0: 3(-0.75,-1.4) 4(-0.25,-1.4) 5(0.25,-1.4) 6(0.75,-1.4) 9(0.75,1.4) 10(0.25,1.4) 11(-0.25,1.4) 12(-0.75,1.4)
  rrect40% 0.6x0.25 smd paste-1 mask+0: 8(0.9,0.5)
  silkscreen extent -1.6,-1.5 1.05,1.5, body extent -1,-1.5 1,1.5, height 1
XTAL_ECS-80-10-33-CHN-TR3 [mm]
  rrect10% 1.3x1.1 smd: 1(-1.15,-0.9) 2(1.15,-0.9) 3(1.15,0.9) 4(-1.15,0.9)
  silkscreen extent -1.25,-1.9 0.27,1.25

## Part data
C100 C101 C102 C103 C104 C105 C106 C108 C109 C110 C111 C112 C113 C114 C115 C116 C117 C118 C119 C120 C121 C122 C123 C124 C200 C201 C202 C203 C204 C205 C206 C207 C208 C209 C210 C211 C212 C213 C214 C215 C216 C217 C218 C300 C301 C302 C303 C304 C305 C306 C307 C308 C309 C310 C311 C312 C313 C314 C315 C316 C317 C400 C401 C402 C403 C404 C405 C406 C407 C408 C409 C410 C411 C500 C501 C502 C503 C504 C505 C506 C507 C600_1 C600_2 C600_3 C600_4 C601_1 C601_2 C601_3 C601_4 C604_1 C604_2 C604_3 C604_4 C605_1 C605_2 C605_3 C605_4: library part Capacitor, "SMT Capacitor"
C107 C602_1 C602_2 C602_3 C602_4 C603_1 C603_2 C603_3 C603_4: library part "Capacitor polarized", "SMT Polarised Capacitor"
D100 D200 D201 D202 D203 D300 D400 D401 D500: library part Diode, "Rectifier Diode"
D600_1 D600_2 D600_3 D600_4 D601_1 D601_2 D601_3 D601_4: library part "Diode Zener", "Zener Diode"
J200: library part AUX_carrier
J300: library part IMU_connector
J400 J500: library part SWD_connector
L100 L101 L102: library part Inductor, "SMT Inductor"
LED400 LED401: library part LED, LCSC Part#=C130717, MFR Part #=NCD1206B1, Datasheet=https://datasheet.lcsc.com/lcsc/2008201033_Foshan-NationStar-Optoelectronics-NCD1206B1_C130717.pdf, Type=Extended
Q100 Q101: "MOSFET P-CH 40V 10A 8SOIC", Current - Continuous Drain (Id) @ 25°C="10A (Ta)", Drain to Source Voltage (Vdss)="40 V", Drive Voltage (Max Rds On,  Min Rds On)="4.5V, 10V", Input Capacitance (Ciss) (Max) @ Vds="3000 pF @ 20 V", manufacturer="Alpha & Omega Semiconductor Inc.", Operating Temperature="-55°C ~ 150°C (TJ)", Package / Case="8-SOIC (0.154\", 3.90mm Width)", Power Dissipation (Max)="1.7W (Ta)", Supplier Device Package=8-SOIC, Supplier Part Number 1=785-1551-1-ND, componentlink1description=Datasheet, componentlink1url=http://aosmd.com/res/data_sheets/AO4485.pdf, componentlink2description="DigiKey Link", componentlink2url=https://www.digikey.com/en/products/detail/alpha-omega-semiconductor-inc/AO4485/3152385, FET Type=P-Channel, Gate Charge (Qg) (Max) @ Vgs="55 nC @ 10 V", lastupdated="25.09.2022 4:45:44", Lifecycle Status=Active, Minimum Order=1, Mounting Type="Surface Mount", packaging=TapeAndReel, Part Number=AO4485, Part Status=Active, price=0.35, Rds On (Max) @ Id, Vgs="15mOhm @ 10A, 10V", series=-, Supplier 1=DigiKey, Technology="MOSFET (Metal Oxide)", Vgs (Max)=±20V, Vgs(th) (Max) @ Id="2.5V @ 250µA"
R100 R101 R102 R103 R104 R105 R106 R107 R108 R109 R110 R111 R112 R113 R114 R115 R116 R117 R200 R201 R202 R203 R204 R205 R206 R207 R208 R209 R210 R211 R212 R213 R214 R215 R216 R217 R218 R219 R220 R221 R300 R301 R302 R303 R304 R305 R306 R307 R308 R309 R310 R311 R312 R313 R400 R401 R402 R403 R404 R405 R406 R407 R408 R409 R410 R411 R412 R413 R414 R415 R500 R501 R502 R503 R600_1 R600_2 R600_3 R600_4 R601_1 R601_2 R601_3 R601_4 R602_1 R602_2 R602_3 R602_4 R603_1 R603_2 R603_3 R603_4 R604_1 R604_2 R604_3 R604_4 R605_1 R605_2 R605_3 R605_4 R606_1 R606_2 R606_3 R606_4 R607_1 R607_2 R607_3 R607_4 R608_1 R608_2 R608_3 R608_4 R609_1 R609_2 R609_3 R609_4: library part Res, "Resistor", Ordered by=Subcon, Published=8-Jun-2000, Publisher="Altium Limited", Revision="July-2002: Re-released for DXP Platform."
SB200 SB201 SB300 SB301 SB302 SB400 SB401 SB500: library part "Circuit Breaker", "Circuit Breaker", Published=24-Mar-1999, Publisher="Altium Limited", Revision="July-2002: Re-released for DXP Platform."
SW500: library part Switch_1
U200: library part CMP-12105-000025-1, "IC MCU 32BIT 1MB FLASH 64LQFP", Ambient Temperature Range High=+85°C, Ambient Temperature Range Low=-40°C, Frequency=100MHz, manufacturer=STMicroelectronics, Max Junction Temp=+105°C, Max Supply Voltage=3.6V, Min Supply Voltage=1.7V, Nominal Supply Current=25-180mA, Package=LQFP64-5W, Temperature="-40°C to +105°C", Automotive=No, Category=IC, componentlink2description=Datasheet, componentlink2url=http://www.st.com/content/ccc/resource/technical/document/datasheet/group3/f6/1d/4a/d9/f9/96/43/2a/DM00282249/files/DM00282249.pdf/jcr:content/translations/en.DM00282249.pdf, Core Architecture="ARM Cortex-M4", Data Bus Width=32bits, Device Class L1="Integrated Circuits (ICs)", Device Class L2="Embedded Processors and Controllers", Device Class L3=Microcontrollers, Digikey Description="IC MCU 32BIT 1MB FLASH 64LQFP", Height=1.6mm, Interface=I2C,SPI,UART,USART,CAN,USB,LIN,IrDA,I2S,Other, Ipc Land Pattern Name=QFP50P1200X1200X160-64, Lead Free=Yes, Manufacturer Part Number=STM32F413RGT6, Memory Size=1MBytes, Memory Type=FLASH, Number Of A/D Converters=1, Number Of Adc Channels=16, Number Of Cores=1, Number Of I2C Channels=4, Number Of I/Os=50, Number Of Pwm Channels=32, Number Of Spi Channels=5, Number Of Timers/Counters=15, Number Of Uart Channels=7, Number Of Usb Channels=1, Octopart=https://octopart.com/stm32f413rgt6-stmicroelectronics-76512522, Ram Size=320KBytes, RoHS=TRUE, Standoff Height=0.05mm, Temperature Range High=+105°C, Temperature Range Low=-40°C
U201 U302 U400: library part USB_TVC_protection
U300: library part CMP-0237-00255-3, "ARM Cortex-M3 32-bit MCU, 16 KB Flash, 6 KB Internal RAM, 37 I/Os, 48-pin LQFP, -40 to 85 degC, Tray", I/Os (High Current)=37, Operating Frequency(F) (Processor speed) (MHz)=72, Supply Voltage(Vcc) min (V)=2, A/D Converter="2x12-bit (10 Channel)", componentlink1description="Manufacturer URL", componentlink1url=http://www.st.com/web/en/home.html, componentlink2description=Datasheet, componentlink2url=http://www.st.com/st-web-ui/static/active/en/resource/technical/document/datasheet/CD00210843.pdf, ComponentLink3Description="Package Specification", ComponentLink3URL=http://www.st.com/st-web-ui/static/active/en/resource/technical/document/datasheet/DM00058181.pdf, Core="ARM Cortex-M3", DatasheetVersion="Rev. 6", FLASH Size (Prog) (kB)=16, Internal RAM Size (kB)=6, Mounting Technology="Surface Mount", PackageDescription="48-Pin Low Profile Quad Flat Package, 7 x 7 mm Body, 0.5 mm Pitch", PackageReference=LQFP48, PackageVersion="Rev. 6, 06/2013", Packing=Tray, PartNumber=STM32F103C4T6A
U301: library part CMP-1753-00002-2, "3-Axis Gyroscope, Accelerometer and a Digital Motion Processor(TM) (DMP), 2.375 to 3.46 V, -40 to 85 degC, 24-Pin QFN, RoHS, Tape and Reel", manufacturer=InvenSense, Standard Package=5,000, Category=Sensors,Transducers, Datasheet URL=http://datasheet.octopart.com/MPU-6050-InvenSense-datasheet-14421344.pdf, Datasheet Version="Rev. 3.3, 05/2012", Dynamic Catalog=MPU-6000™Series, Family=Multifunction, Featured Product=MPU-60506-Axis,IntegratedI²CSolution, Manufacturer URL=http://www.invensense.com/, Online Catalog=MPU-6000™Series, Other Names="1428-1007-2 / MPU6050", Output Type=Digital, Sensor Type=MotionTracking, Unit PriceUSD=Digital
U401: library part CMP-0237-00250-3, "ARM Cortex-M3 32-bit MCU, 128 KB Flash, 20 KB Internal RAM, 37 I/Os, 48-pin LQFP, -40 to 85 degC, Tray", I/Os (High Current)=37, Operating Frequency(F) (Processor speed) (MHz)=72, Supply Voltage(Vcc) min (V)=2, A/D Converter="2x12-bit (10 Channel)", componentlink1description="Manufacturer URL", componentlink1url=http://www.st.com/web/en/home.html, componentlink2description=Datasheet, componentlink2url=http://www.st.com/st-web-ui/static/active/en/resource/technical/document/datasheet/CD00161566.pdf, ComponentLink3Description="Package Specification", ComponentLink3URL=http://www.st.com/st-web-ui/static/active/en/resource/technical/document/datasheet/DM00058181.pdf, Core="ARM Cortex-M3", DatasheetVersion="Rev. 16", FLASH Size (Prog) (kB)=128, Internal RAM Size (kB)=20, Mounting Technology="Surface Mount", PackageDescription="48-Pin Low Profile Quad Flat Package, 7 x 7 mm Body, 0.5 mm Pitch", PackageReference=LQFP48, PackageVersion="Rev. 6, 06/2013", Packing=Tray, PartNumber=STM32F103CBT6
U402 U403 U500 U501: library part TVC_protection
Y200 Y300 Y400: library part "Crystal 8Mhz", "SMT Crystal"
Y201: library part Crystal_32.768Hz, "SMT Crystal"

## Via types
v1: diameter 0.5, hole 0.3, Top Layer to Bottom Layer, tented both sides, 492 vias
v2: diameter 0.7, hole 0.35, Top Layer to Bottom Layer, tented both sides, 270 vias
v3: diameter 0, hole 0.3, Top Layer to Bottom Layer, tented both sides, 2 vias